# KiCad board iMX6_BareBones.kicad_pcb (continued)
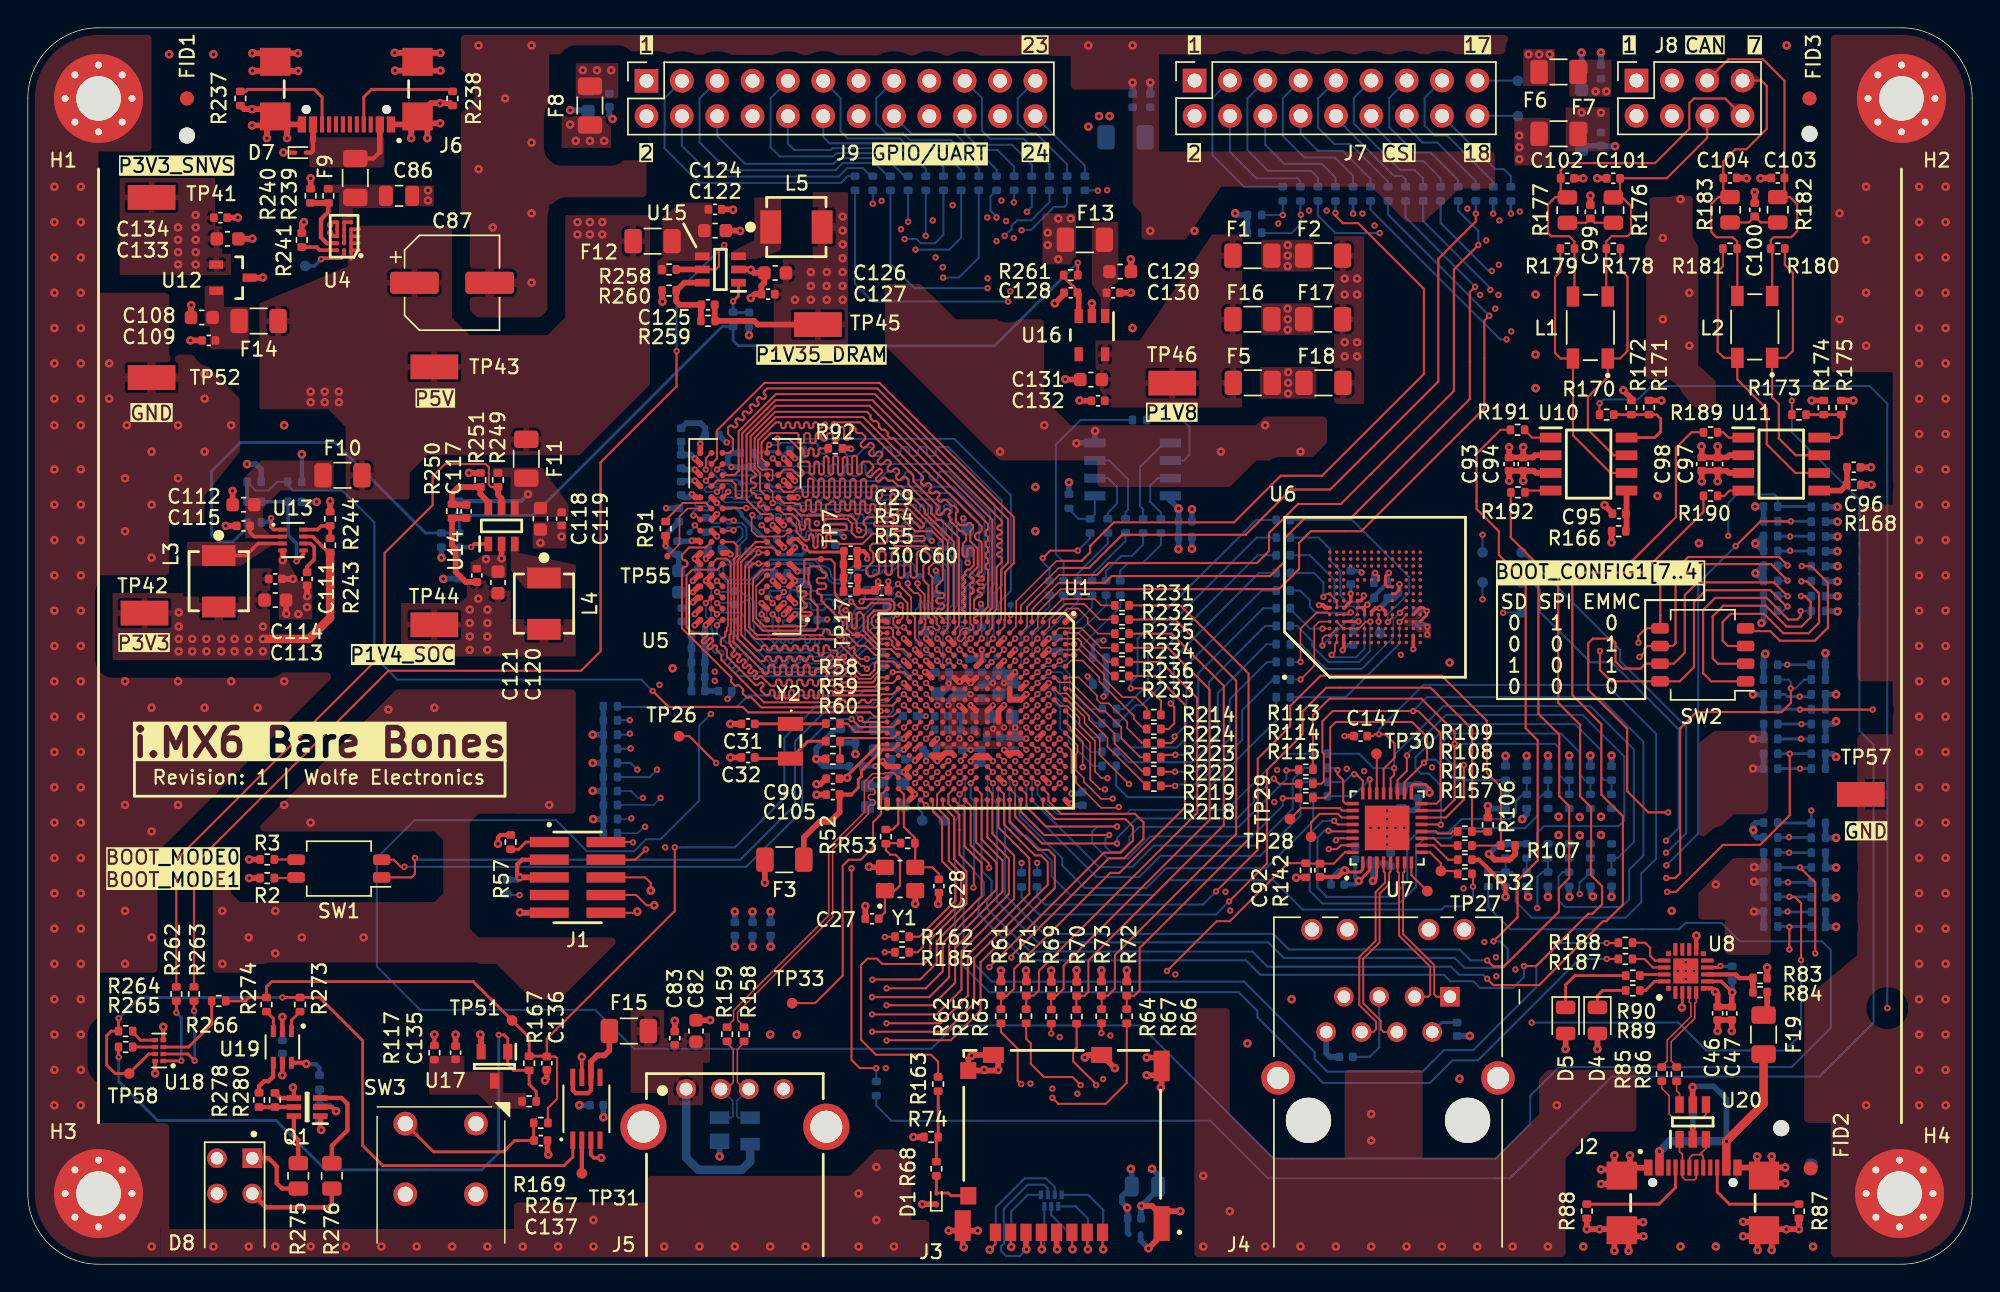
[diagram p0: board, top side]
## Routing (per net, layer and track width the routed paths; a pad name or vN(x,y) marks a point on that pad's centre or on a via; arc(x,y) is an arc through that point) (continued)
/Signal_Map/Connectors/CP2102N_TXT: length 2
  Top w0.203: U8.20 116.88,20.33 116.23,19.69 R89.2
/Signal_Map/Connectors/CP2102N_TXT_R: length 3
  Top w0.203: R89.1 113.16,19.69 112.78,19.3 D4.1
/Signal_Map/Connectors/DEBUG_RSTB: length 1.8
  Top w0.203: U8.9 121.51,21.33 v1(121.62,21.44)
  Bottom w0.203: v1(121.62,21.44) 121.64,21.41 R82.1
/Signal_Map/Connectors/DEBUG_USB_DN: length 4.7
  Top w0.114: U20.1 118.67,8.1 118.88,7.89 J2.B7 118.88,6.26 119.08,6.07 119.76,6.07 119.88,6.19 J2.A7
/Signal_Map/Connectors/DEBUG_USB_DP: length 4.1
  Top w0.114: U20.3 120.57,8.33 120.24,8 ; J2.B6 120.38,7.73 120.24,7.87 ; 120.24,8 120.12,7.87 ; 120.24,8 120.24,7.87 ; 120.12,7.87 120.24,7.87 ; 120.12,7.87 119.62,7.87 119.38,7.64 J2.A6
/Signal_Map/Connectors/DEBUG_USB_ESD_DN: length 1.8
  Top w0.114: R86.2 118.47,12.47 118.67,12.26 U20.6
/Signal_Map/Connectors/DEBUG_USB_ESD_DP: length 6.2
  Top w0.114: R85.2 117.4,12.65 117.93,12.12 117.93,10.8 118.24,10.49 120.3,10.49 120.57,10.77 U20.4
/Signal_Map/Connectors/DEBUG_USB_R_DN: length 6.3
  Top w0.109: R86.1 118.47,14.23 118.08,14.62 118.08,15.99 119.77,17.69 119.77,18.75 119.88,18.86 U8.5
/Signal_Map/Connectors/DEBUG_USB_R_DP: length 6.3
  Top w0.109: U8.4 119.38,18.86 119.48,18.75 119.48,17.81 117.79,16.11 117.79,14.62 117.4,14.23 R85.1
/Signal_Map/Connectors/DEBUG_VBUS: length 4.4
  Top w0.305: U8.8 122.7,20.83 122.96,20.57 R83.2
  Top w0.406: R84.1 R83.2
/Signal_Map/Connectors/JTAG_TCK: length 28.4
  Top w0.114: v1(43.48,30.33) 43.46,30.35
  Top w0.143: 43.46,30.35 41.53,30.35 ; U1.M14 v1(66.14,36.19)
  In3.Cu w0.114: v1(66.14,36.19) 66.14,36.6 65.94,36.8 64.11,36.8 63.91,36.6 63.14,36.6 61.54,35
  In3.Cu w0.143: v1(43.48,30.33) 43.94,30.78 52.37,30.78 54.05,32.46 59,32.46 61.54,35
/Signal_Map/Connectors/JTAG_TDI: length 29.3
  Top w0.114: U1.N16 v1(64.54,34.59)
  Top w0.143: J1.06 44.35,27.81 44.75,27.41 v2(44.75,26.87)
  In3.Cu w0.114: 63.7,32.31 64.59,32.31 65,32.72 65,33.93 64.74,34.19 64.67,34.19 64.54,34.31 v1(64.54,34.59)
  In3.Cu w0.143: v2(44.75,26.87) 45.14,27.25 47.93,27.25 49.43,28.75 53.62,28.75 55.19,30.33 60.83,30.33 62.81,32.31 63.7,32.31
/Signal_Map/Connectors/JTAG_TDO: length 30.7
  Top w0.114: U1.N15 v1(65.34,35.39)
  Top w0.143: J1.08 43.71,26.54 44.45,25.81 v2(45.01,25.81)
  In3.Cu w0.114: 65.38,33.17 65.38,33.96 64.95,34.39 64.95,34.99 v1(65.34,35.39)
  In3.Cu w0.143: v2(45.01,25.81) 47.45,25.81 49.86,28.22 53.92,28.22 55.47,29.77 61.21,29.77 63.27,31.83 64.74,31.83 65.38,32.46 65.38,33.17
/Signal_Map/Connectors/JTAG_TMS: length 26.4
  Top w0.143: v1(44.4,29.82) 43.66,29.08 J1.04 ; U1.P14 63.75,35.4 v1(63.75,35.33)
  In3.Cu w0.143: v1(63.75,35.33) 63.68,35.33 62.9,34.54 61.85,34.54 59.23,31.93 54.33,31.93 52.68,30.28 48.36,30.28 47.12,29.03 44.65,29.03 44.4,29.29 v1(44.4,29.82)
/Signal_Map/Connectors/POWER_GOOD: length 52.5
  Top w0.203: U9.1 39.16,7.71 38.53,7.09 25.5,7.09 24.05,8.53 24.05,16.08 20.95,19.18 R273.2 18.29,19.18 v1(18.29,19.18) ; U18.7 8.69,15.11 7.91,14.33 7.9,14.33 TP58.1 6.28,13.71 5.66,14.33 5.66,16.43 5.99,16.76 R264.1 6.53,16.77 v1(6.53,17.68)
  Bottom w0.203: v1(18.29,19.18) 8.03,19.18 v1(6.53,17.68)
/Signal_Map/Connectors/UART1_CP2102_IMX6: length 2.5
  Top w0.152: R187.1 116.15,21.95 116.77,21.33 U8.18
/Signal_Map/Connectors/UART1_IMX6_CP2102: length 3.2
  Top w0.152: R188.1 116.2,23.11 116.56,22.76 116.56,22.17 116.9,21.83 U8.17
/Signal_Map/Connectors/USB1_DN: length 7.5
  Top w0.109: J5.2 50.21,12.59 50.68,13.06 50.68,15.44 50.69,15.44 50.24,15.89 R159.2
  Bottom w0.109: J5.2 50.66,11.74 50.66,10.65 50.54,10.54 D6.2
/Signal_Map/Connectors/USB1_DP: length 7.5
  Top w0.109: J5.3 51.46,12.59 50.98,13.08 50.98,15.44 51.46,15.93 R158.2
  Bottom w0.109: J5.3 50.94,11.74 50.94,10.65 51.06,10.54 D6.3
/Signal_Map/Connectors/USB_DEGUB_CC1: length 8.3
  Top w0.203: J2.A5 118.38,5.51 117.2,4.32 R88.2
/Signal_Map/Connectors/USB_DEGUB_CC2: length 8
  Top w0.203: J2.B5 121.38,5.18 122.25,4.32 R87.2
/Signal_Map/Connectors/~{JTAG_TRST}: length 30
  Top w0.114: U1.N14 v1(64.54,35.39)
  Top w0.143: v2(43.79,25.35) 43.71,25.27 J1.10
  In3.Cu w0.114: v1(64.54,35.39) 64.54,35.38 64.15,34.99 64.15,33.42 63.86,33.12 62.79,33.12 62.1,32.44
  In3.Cu w0.143: 62.1,32.44 60.5,30.84 54.99,30.84 53.37,29.21 49.05,29.21 47.65,27.81 44.07,27.81 43.79,27.53 v2(43.79,25.35)
/Signal_Map/DRAM_DDR3L/DRAM_A0: length 35.1
  Top w0.114: U5.N3 53.52,55.54 v1(53.52,54.74)
  Top w0.143: U1.L5 v1(66.14,43.39)
  Bottom w0.114: 54.23,54.69 54.39,54.53 55.97,54.53 55.99,54.55 ; v1(66.14,43.39) 66.14,43.16 66.07,43.09 65.87,43.09 65.74,43.22 65.74,43.52 65.92,43.7 65.92,43.83 65.74,44 65.74,44.36 65.89,44.51 65.89,44.69 65.75,44.83 65.75,45.26 arc(65.78,45.33) 65.86,45.36 66.02,45.36 arc(66.09,45.39) 66.12,45.47 66.12,45.52 arc(66.09,45.59) 66.02,45.62 65.86,45.62 arc(65.78,45.65) 65.75,45.72 65.75,45.77 arc(65.78,45.85) 65.86,45.88 66.17,45.88 arc(66.24,45.91) 66.27,45.98 66.27,46.03 arc(66.24,46.1) 66.17,46.13 65.86,46.13 arc(65.78,46.16) 65.75,46.24 65.75,46.33 65.82,46.39 66.22,46.39 66.28,46.44 ; 66.13,43.39 66.05,43.47 ; v1(53.52,54.74) 53.52,54.68
  Bottom w0.143: TP11.1 53.52,54.74 v1(53.52,54.74) ; v1(66.14,43.39) 66.14,43.4 ; TP19.1 66.12,46.69 66.28,46.84 66.28,46.85 66.76,47.33 66.76,50.36 66.4,50.72 66.4,50.82 arc(66.36,50.9) 66.28,50.94 66.27,50.94 arc(66.19,50.97) 66.16,51.05 66.16,51.11 arc(66.19,51.19) 66.27,51.23 66.28,51.23 arc(66.36,51.26) 66.4,51.34 66.4,51.74 arc(66.36,51.82) 66.28,51.86 66.27,51.86 arc(66.19,51.89) 66.16,51.97 66.16,52.03 arc(66.19,52.11) 66.27,52.15 66.28,52.15 arc(66.36,52.18) 66.4,52.26 66.4,53 arc(66.36,53.08) 66.28,53.12 66.27,53.12 arc(66.19,53.15) 66.16,53.23 66.16,53.29 arc(66.19,53.37) 66.27,53.41 66.28,53.41 arc(66.36,53.44) 66.4,53.52 66.4,53.58 arc(66.36,53.66) 66.28,53.7 66.27,53.7 arc(66.19,53.73) 66.16,53.81 66.16,53.87 arc(66.19,53.95) 66.27,53.99 66.28,53.99 arc(66.36,54.02) 66.4,54.1 66.4,54.33 66.12,54.61 65.94,54.61 arc(65.86,54.58) 65.83,54.5 65.83,54 arc(65.79,53.92) 65.71,53.89 65.65,53.89 arc(65.57,53.92) 65.54,54 65.54,54.5 arc(65.51,54.58) 65.43,54.61 65.37,54.61 arc(65.29,54.58) 65.26,54.5 65.26,54 arc(65.22,53.92) 65.14,53.89 65.08,53.89 arc(65,53.92) 64.97,54 64.97,54.5 arc(64.94,54.58) 64.86,54.61 64.8,54.61 arc(64.72,54.58) 64.68,54.5 64.68,54 arc(64.65,53.92) 64.57,53.89 64.51,53.89 arc(64.43,53.92) 64.4,54 64.4,54.5 arc(64.37,54.58) 64.28,54.61 64.23,54.61 arc(64.15,54.58) 64.11,54.5 64.11,54.25 arc(64.08,54.17) 64,54.14 63.94,54.14 arc(63.86,54.17) 63.83,54.25 63.83,54.5 arc(63.79,54.58) 63.71,54.61 56.26,54.61 56.19,54.55 55.99,54.55
/Signal_Map/DRAM_DDR3L/DRAM_A1: length 38.1
  Top w0.143: U5.P7 50.76,56.74 51.09,57.06 51.07,57.08 51.07,59.88 53,61.81 53,61.81 53.75,62.56 60.86,62.56 69.98,53.44 69.98,53.24 arc(69.94,53.15) 69.85,53.11 69.78,53.11 arc(69.69,53.07) 69.66,52.98 69.66,52.92 arc(69.69,52.83) 69.78,52.79 69.85,52.79 arc(69.94,52.75) 69.98,52.66 69.98,52.6 arc(69.94,52.51) 69.85,52.47 69.78,52.47 arc(69.69,52.43) 69.66,52.34 69.66,52.28 arc(69.69,52.19) 69.78,52.15 69.85,52.15 arc(69.94,52.11) 69.98,52.02 69.98,51.96 arc(69.94,51.87) 69.85,51.83 69.78,51.83 arc(69.69,51.79) 69.66,51.7 69.66,51.64 arc(69.69,51.55) 69.78,51.51 69.85,51.51 arc(69.94,51.47) 69.98,51.38 69.98,51.32 arc(69.94,51.23) 69.85,51.19 69.78,51.19 arc(69.69,51.15) 69.66,51.06 69.66,51 arc(69.69,50.91) 69.78,50.87 69.85,50.87 arc(69.94,50.83) 69.98,50.74 69.98,50.5 69.6,50.12 69.6,47.08 69.3,46.78 69.3,45.75 U1.H2
/Signal_Map/DRAM_DDR3L/DRAM_A2: length 38.1
  Top w0.114: 52.49,57.37 52.72,57.14 53.42,57.14 53.52,57.04 53.52,56.44 53.42,56.35 53.23,56.35 53.12,56.46 U5.P3
  Top w0.143: U1.K1 67.34,46.85 67.34,46.86 67.34,46.88 67.33,46.9 67.32,46.91 67.3,46.92 67.28,46.93 67.26,46.94 67.24,46.94 67.22,46.94 67.2,46.95 67.19,46.96 67.18,46.98 67.17,47 67.16,47.02 67.16,47.14 67.17,47.16 67.18,47.18 67.19,47.2 67.2,47.21 67.22,47.22 67.24,47.22 67.26,47.22 67.28,47.23 67.3,47.24 67.32,47.25 67.33,47.27 67.34,47.28 67.34,47.3 67.34,47.43 67.34,47.45 67.33,47.47 67.32,47.48 67.3,47.5 67.28,47.5 67.26,47.51 67.24,47.51 67.22,47.51 67.2,47.52 67.19,47.53 67.18,47.55 67.17,47.57 67.16,47.59 67.16,47.71 67.17,47.73 67.18,47.75 67.19,47.77 67.2,47.78 67.22,47.79 67.24,47.79 67.26,47.79 67.28,47.8 67.3,47.81 67.32,47.82 67.33,47.84 67.34,47.85 67.34,47.87 67.34,48 67.34,48.02 67.33,48.04 67.32,48.05 67.3,48.07 67.28,48.08 67.26,48.08 67.24,48.08 67.22,48.08 67.2,48.09 67.19,48.11 67.18,48.12 67.17,48.14 67.16,48.16 67.16,48.29 67.17,48.31 67.18,48.32 67.19,48.34 67.2,48.35 67.22,48.36 67.24,48.37 67.26,48.37 67.28,48.37 67.3,48.38 67.32,48.39 67.33,48.41 67.34,48.43 67.34,48.45 67.34,48.57 67.34,48.59 67.33,48.61 67.32,48.62 67.3,48.64 67.28,48.65 67.26,48.65 67.24,48.65 67.22,48.66 67.2,48.66 67.19,48.68 67.18,48.69 67.17,48.71 67.16,48.73 67.16,48.86 67.17,48.88 67.18,48.89 67.19,48.91 67.2,48.92 67.22,48.93 67.24,48.94 67.26,48.94 67.28,48.94 67.3,48.95 67.32,48.96 67.33,48.98 67.34,49 67.34,49.02 67.34,49.14 67.34,49.16 67.33,49.18 67.32,49.2 67.3,49.21 67.28,49.22 67.26,49.22 67.24,49.22 67.22,49.23 67.2,49.24 67.19,49.25 67.18,49.26 67.17,49.28 67.16,49.3 67.16,49.43 67.17,49.45 67.18,49.47 67.19,49.48 67.2,49.49 67.22,49.5 67.24,49.51 67.26,49.51 67.28,49.51 67.3,49.52 67.32,49.53 67.33,49.55 67.34,49.57 67.34,49.59 67.34,49.6 67.34,49.77 67.52,49.95 67.67,49.95 67.96,50.25 67.96,51.34 67.79,51.51 67.59,51.51 67.51,51.44 67.51,50.95 67.43,50.87 67.29,50.87 67.18,50.98 67.18,51.82 67.41,52.04 67.41,52.48 67.18,52.7 67.01,52.7 66.27,53.44 66.27,53.65 66.2,53.72 arc(66.15,53.83) 66.2,53.94 66.25,53.99 arc(66.29,54.11) 66.25,54.22 66.19,54.28 arc(66.08,54.32) 65.96,54.28 65.6,53.92 arc(65.49,53.87) 65.38,53.92 65.32,53.97 arc(65.27,54.09) 65.32,54.2 65.41,54.28 arc(65.45,54.4) 65.41,54.51 64.73,55.18 64.68,55.23 64.67,55.23 64.63,55.28 64.58,55.32 64.58,55.33 64.53,55.38 64.14,55.78 64.09,55.82 64.09,55.82 64.06,55.85 63.99,55.91 63.99,55.92 63.87,56.04 63.87,56.04 63.63,56.29 63.63,56.69 59.79,60.53 57.89,60.53 arc(57.79,60.49) 57.75,60.4 57.75,60.24 arc(57.72,60.15) 57.62,60.11 57.56,60.11 arc(57.46,60.15) 57.42,60.24 57.42,60.4 arc(57.39,60.49) 57.29,60.53 57.23,60.53 arc(57.13,60.49) 57.09,60.4 57.09,60.24 arc(57.06,60.15) 56.96,60.11 56.9,60.11 arc(56.8,60.15) 56.76,60.24 56.76,60.4 arc(56.73,60.49) 56.63,60.53 56.57,60.53 arc(56.47,60.49) 56.43,60.4 56.43,60.24 arc(56.4,60.15) 56.3,60.11 56.24,60.11 arc(56.14,60.15) 56.1,60.24 56.1,60.4 arc(56.07,60.49) 55.97,60.53 55.91,60.53 arc(55.81,60.49) 55.77,60.4 55.77,60.24 arc(55.74,60.15) 55.64,60.11 55.58,60.11 arc(55.48,60.15) 55.44,60.24 55.44,60.4 arc(55.41,60.49) 55.31,60.53 55.25,60.53 arc(55.15,60.49) 55.11,60.4 55.11,60.24 arc(55.08,60.15) 54.98,60.11 54.92,60.11 arc(54.82,60.15) 54.78,60.24 54.78,60.4 arc(54.75,60.49) 54.65,60.53 54.59,60.53 arc(54.49,60.49) 54.45,60.4 54.45,60.24 arc(54.42,60.15) 54.32,60.11 54.26,60.11 arc(54.16,60.15) 54.12,60.24 54.12,60.4 arc(54.09,60.49) 53.99,60.53 53.75,60.53 52.47,59.25 52.47,57.39 52.49,57.37
/Signal_Map/DRAM_DDR3L/DRAM_A3: length 38.1
  Top w0.143: U1.M2 66.1,45.75 66.1,51.98 62.3,55.78 61.53,55.78 arc(61.42,55.73) 61.38,55.63 61.38,55.22 arc(61.33,55.11) 61.22,55.07 61.15,55.07 arc(61.04,55.11) 61,55.22 61,55.88 arc(60.96,55.96) 60.89,55.99 60.72,55.99 arc(60.65,55.96) 60.62,55.88 60.62,55.22 arc(60.57,55.11) 60.46,55.07 60.39,55.07 arc(60.28,55.11) 60.24,55.22 60.24,56.29 arc(60.19,56.39) 60.08,56.44 60.01,56.44 arc(59.9,56.39) 59.86,56.29 59.86,55.27 arc(59.81,55.16) 59.7,55.12 59.63,55.12 arc(59.52,55.16) 59.48,55.27 59.48,56.29 arc(59.43,56.39) 59.32,56.44 59.25,56.44 arc(59.14,56.39) 59.1,56.29 59.1,55.27 arc(59.05,55.16) 58.94,55.12 58.87,55.12 arc(58.76,55.16) 58.72,55.27 58.72,56.34 arc(58.67,56.44) 58.56,56.49 58.49,56.49 arc(58.38,56.44) 58.34,56.34 58.34,55.27 arc(58.29,55.16) 58.18,55.12 58.11,55.12 arc(58,55.16) 57.96,55.27 57.96,56.34 arc(57.91,56.44) 57.8,56.49 57.73,56.49 arc(57.62,56.44) 57.58,56.34 57.58,55.22 arc(57.53,55.11) 57.42,55.07 57.35,55.07 arc(57.24,55.11) 57.2,55.22 57.2,56.34 arc(57.15,56.44) 57.04,56.49 56.97,56.49 arc(56.86,56.44) 56.82,56.34 56.82,55.32 arc(56.77,55.21) 56.66,55.17 56.59,55.17 arc(56.48,55.21) 56.44,55.32 56.44,56.34 arc(56.39,56.44) 56.28,56.49 56.21,56.49 arc(56.1,56.44) 56.06,56.34 56.06,55.32 arc(56.01,55.21) 55.9,55.17 55.83,55.17 arc(55.72,55.21) 55.68,55.32 55.68,55.63 arc(55.63,55.73) 55.52,55.78 55.22,55.78 54.98,55.54 54.32,55.54 U5.N2
/Signal_Map/DRAM_DDR3L/DRAM_A4: length 35
  Top w0.143: U1.K4 v1(66.94,44.19) ; U5.P8 v1(48.72,56.34)
  Bottom w0.114: v1(66.94,44.19) 66.94,45.17 arc(66.97,45.24) 67.05,45.27 arc(67.12,45.3) 67.15,45.38 67.15,45.47 arc(67.12,45.54) 67.05,45.57 arc(66.97,45.6) 66.94,45.68 66.94,45.74 arc(66.98,45.82) 67.06,45.86 67.23,45.86 arc(67.32,45.89) 67.35,45.98 67.35,46.04 arc(67.32,46.12) 67.23,46.16 67.06,46.16 arc(66.98,46.19) 66.94,46.28 66.94,46.47 ; 48.72,56.18 v1(48.72,56.34) 48.94,56.12 50.38,56.12 50.88,55.61 53.17,55.61 53.23,55.55 53.28,55.55
  Bottom w0.143: 53.28,55.55 55.69,55.55 55.75,55.5 61.28,55.5 61.34,55.45 arc(61.39,55.42) 61.42,55.37 arc(61.44,55.31) 61.5,55.29 62.03,55.29 arc(62.08,55.31) 62.11,55.37 62.11,55.53 arc(62.13,55.58) 62.19,55.61 62.72,55.61 arc(62.77,55.58) 62.8,55.53 62.8,55.37 arc(62.82,55.31) 62.88,55.29 63.41,55.29 arc(63.46,55.31) 63.49,55.37 63.49,55.53 arc(63.51,55.58) 63.57,55.61 64.1,55.61 arc(64.15,55.58) 64.18,55.53 arc(64.2,55.47) 64.26,55.45 66.23,55.45 68.35,53.33 68.35,49.63 68.24,49.52 arc(68.13,49.47) 68.03,49.52 67.67,49.87 arc(67.57,49.92) 67.46,49.87 67.41,49.82 arc(67.37,49.72) 67.41,49.61 67.77,49.26 arc(67.81,49.15) 67.77,49.05 67.39,48.66 67.39,46.91 66.94,46.47
/Signal_Map/DRAM_DDR3L/DRAM_A5: length 38.1
  Top w0.143: U1.L1 66.54,51.94 64.47,54.02 64.47,54.25 62.76,55.96 62.53,55.96 62.15,56.34 61.82,56.34 61.63,56.53 arc(61.54,56.57) 61.44,56.53 61.21,56.3 arc(61.11,56.26) 61.02,56.3 60.97,56.34 arc(60.93,56.44) 60.97,56.54 61.37,56.94 arc(61.4,57.01) 61.37,57.08 61.27,57.18 arc(61.2,57.21) 61.13,57.18 60.59,56.64 arc(60.49,56.6) 60.39,56.64 60.35,56.68 arc(60.31,56.78) 60.35,56.88 60.72,57.25 arc(60.76,57.35) 60.72,57.44 60.45,57.71 60.05,57.71 arc(59.95,57.67) 59.91,57.57 59.91,56.92 arc(59.87,56.83) 59.77,56.79 59.71,56.79 arc(59.61,56.83) 59.57,56.92 59.57,57.99 arc(59.53,58.09) 59.43,58.13 59.37,58.13 arc(59.27,58.09) 59.23,57.99 59.23,56.92 arc(59.19,56.83) 59.09,56.79 59.03,56.79 arc(58.93,56.83) 58.89,56.92 58.89,57.89 arc(58.85,57.99) 58.75,58.03 58.69,58.03 arc(58.59,57.99) 58.55,57.89 58.55,56.92 arc(58.51,56.83) 58.41,56.79 58.35,56.79 arc(58.25,56.83) 58.21,56.92 58.21,57.99 arc(58.17,58.09) 58.07,58.13 58.01,58.13 arc(57.91,58.09) 57.87,57.99 57.87,56.92 arc(57.83,56.83) 57.73,56.79 57.67,56.79 arc(57.57,56.83) 57.53,56.92 57.53,57.94 arc(57.49,58.04) 57.39,58.08 57.33,58.08 arc(57.23,58.04) 57.19,57.94 57.19,56.92 arc(57.15,56.83) 57.05,56.79 56.99,56.79 arc(56.89,56.83) 56.85,56.92 56.85,57.57 arc(56.81,57.67) 56.71,57.71 56.65,57.71 arc(56.55,57.67) 56.51,57.57 56.51,56.92 arc(56.47,56.83) 56.37,56.79 56.31,56.79 arc(56.21,56.83) 56.17,56.92 56.17,57.57 arc(56.13,57.67) 56.03,57.71 55.5,57.71 55.35,57.56 55.35,57.38 55.73,57 55.73,56.82 55.58,56.67 55.4,56.67 54.93,57.14 54.32,57.14 U5.P2
/Signal_Map/DRAM_DDR3L/DRAM_A6: length 38.1
  Top w0.143: U1.G2 70.17,45.82 70.17,46.33 70.21,46.37 70.21,49.77 70.84,50.39 70.84,53.72 61.19,63.37 52.93,63.37 49.52,59.96 49.52,57.93 U5.R8
/Signal_Map/DRAM_DDR3L/DRAM_A7: length 35
  Top w0.143: U5.R2 v1(53.52,57.94) ; U1.H4 v1(69.34,44.19)
  Bottom w0.114: 69.15,46.82 69.09,46.77 69.09,45.4 68.94,45.25 68.94,44.59 v1(69.34,44.19)
  Bottom w0.143: v1(53.52,57.94) 54.09,57.36 56.37,57.36 56.54,57.53 56.98,57.53 arc(57.13,57.47) 57.18,57.33 57.18,56.86 arc(57.24,56.72) 57.38,56.66 57.48,56.66 arc(57.63,56.72) 57.68,56.86 57.68,57.33 arc(57.74,57.47) 57.88,57.53 57.98,57.53 arc(58.13,57.47) 58.18,57.33 58.18,56.86 arc(58.24,56.72) 58.38,56.66 58.48,56.66 arc(58.63,56.72) 58.68,56.86 58.68,57.33 arc(58.74,57.47) 58.88,57.53 58.98,57.53 arc(59.13,57.47) 59.18,57.33 59.18,56.86 arc(59.24,56.72) 59.38,56.66 59.48,56.66 arc(59.63,56.72) 59.68,56.86 59.68,57.33 arc(59.74,57.47) 59.88,57.53 59.98,57.53 arc(60.13,57.47) 60.18,57.33 60.18,56.86 arc(60.24,56.72) 60.38,56.66 60.48,56.66 arc(60.63,56.72) 60.68,56.86 60.68,57.33 arc(60.74,57.47) 60.88,57.53 66.57,57.53 69.47,54.64 69.47,48.92 69.15,48.6 69.15,46.82
/Signal_Map/DRAM_DDR3L/DRAM_A8: length 35
  Top w0.143: U1.J4 v1(67.74,44.19) ; U5.T8 48.72,57.94 v1(48.72,57.14)
  Bottom w0.143: v1(48.72,57.14) 48.72,57.61 48.82,57.71 48.97,57.71 49.12,57.56 49.12,56.97 49.67,56.41 50.95,56.41 TP13.1 53.26,56.13 53.51,55.89 56.04,55.89 56.05,55.91 66.5,55.91 68.73,53.67 68.73,49.61 67.67,48.55 67.67,45.5 67.34,45.17 67.34,44.59 v1(67.74,44.19) 67.62,44.19 ; v1(48.72,57.14) 48.81,57.14 ; v1(48.72,57.14) 48.72,57.07
/Signal_Map/DRAM_DDR3L/DRAM_A9: length 38.1
  Top w0.143: U1.L2 66.54,45.57 66.9,45.93 66.9,52.23 65.61,53.52 65.37,53.52 64.92,53.97 64.92,54.41 63.27,56.06 63.27,56.41 63.11,56.57 arc(62.99,56.62) 62.87,56.57 62.73,56.42 arc(62.6,56.37) 62.48,56.42 62.42,56.49 arc(62.37,56.61) 62.42,56.73 62.57,56.87 arc(62.62,57) 62.57,57.12 62.51,57.18 arc(62.38,57.23) 62.26,57.18 62.12,57.03 arc(62,56.98) 61.87,57.03 61.81,57.09 arc(61.76,57.22) 61.81,57.34 61.96,57.48 arc(62.01,57.6) 61.96,57.73 61.9,57.79 arc(61.78,57.84) 61.65,57.79 61.4,57.54 arc(61.28,57.48) 61.16,57.54 61.1,57.6 arc(61.05,57.72) 61.1,57.84 61.35,58.09 arc(61.4,58.21) 61.35,58.33 61.29,58.39 arc(61.17,58.45) 61.05,58.39 60.79,58.14 arc(60.67,58.09) 60.55,58.14 60.49,58.2 arc(60.44,58.33) 60.49,58.45 60.74,58.7 arc(60.79,58.82) 60.74,58.94 60.68,59 arc(60.56,59.05) 60.44,59 60.19,58.75 arc(60.07,58.7) 59.94,58.75 59.88,58.81 arc(59.83,58.93) 59.88,59.06 60.13,59.31 arc(60.18,59.43) 60.13,59.55 59.92,59.77 59.64,59.77 arc(59.52,59.81) 59.48,59.93 59.48,60.04 arc(59.43,60.16) 59.31,60.21 59.23,60.21 arc(59.11,60.16) 59.07,60.04 59.07,59.44 arc(59.02,59.32) 58.9,59.28 58.82,59.28 arc(58.7,59.32) 58.66,59.44 58.66,60.04 arc(58.61,60.16) 58.49,60.21 58.41,60.21 arc(58.29,60.16) 58.25,60.04 58.25,59.34 arc(58.2,59.22) 58.08,59.18 58,59.18 arc(57.88,59.22) 57.84,59.34 57.84,59.6 arc(57.79,59.72) 57.67,59.77 57.59,59.77 arc(57.47,59.72) 57.43,59.6 57.43,59.39 arc(57.38,59.27) 57.26,59.23 57.18,59.23 arc(57.06,59.27) 57.02,59.39 57.02,59.6 arc(56.97,59.72) 56.85,59.77 56.77,59.77 arc(56.65,59.72) 56.61,59.6 56.61,59.19 arc(56.56,59.07) 56.44,59.03 56.36,59.03 arc(56.24,59.07) 56.2,59.19 56.2,59.6 arc(56.15,59.72) 56.03,59.77 55.95,59.77 arc(55.83,59.72) 55.79,59.6 55.79,59.19 arc(55.74,59.07) 55.62,59.03 55.54,59.03 arc(55.42,59.07) 55.38,59.19 55.38,59.6 arc(55.33,59.72) 55.21,59.77 53.39,59.77 52.72,59.09 52.72,57.94 U5.R3
/Signal_Map/DRAM_DDR3L/DRAM_A10: length 35.1
  Top w0.143: U5.L7 50.57,54.34 50.6,54.37 v1(51.62,54.37) ; U1.M4 v1(65.34,44.19)
  Bottom w0.114: 65.33,44.19 v1(65.34,44.19) 64.95,44.57 64.95,45.29 65.03,45.37 65.03,46.72 65.13,46.82 65.43,46.82 65.64,47.03
  Bottom w0.143: v1(51.62,54.37) 52.66,54.37 53.09,53.94 53.19,53.94 arc(53.3,53.89) 53.34,53.78 53.34,53.7 arc(53.39,53.59) 53.49,53.55 53.57,53.55 arc(53.68,53.59) 53.72,53.7 53.72,53.78 arc(53.77,53.89) 53.87,53.94 53.95,53.94 arc(54.06,53.89) 54.1,53.78 54.1,53.7 arc(54.15,53.59) 54.25,53.55 54.33,53.55 arc(54.44,53.59) 54.48,53.7 54.48,53.78 arc(54.53,53.89) 54.63,53.94 54.71,53.94 arc(54.82,53.89) 54.86,53.78 54.86,53.25 arc(54.91,53.14) 55.01,53.1 55.09,53.1 arc(55.2,53.14) 55.24,53.25 55.24,53.78 arc(55.29,53.89) 55.39,53.94 55.47,53.94 arc(55.58,53.89) 55.62,53.78 55.62,53.25 arc(55.67,53.14) 55.77,53.1 55.85,53.1 arc(55.96,53.14) 56,53.25 56,53.78 arc(56.05,53.89) 56.15,53.94 57.02,53.94 arc(57.12,53.89) 57.17,53.79 57.17,53.66 arc(57.21,53.56) 57.31,53.52 57.38,53.52 arc(57.48,53.56) 57.53,53.66 57.53,53.79 arc(57.57,53.89) 57.67,53.94 57.74,53.94 arc(57.84,53.89) 57.89,53.79 57.89,53.71 arc(57.93,53.61) 58.03,53.57 58.1,53.57 arc(58.2,53.61) 58.25,53.71 58.25,53.79 arc(58.29,53.89) 58.39,53.94 58.46,53.94 arc(58.56,53.89) 58.61,53.79 58.61,53.71 arc(58.65,53.61) 58.75,53.57 58.82,53.57 arc(58.92,53.61) 58.97,53.71 58.97,53.79 arc(59.01,53.89) 59.11,53.94 59.18,53.94 arc(59.28,53.89) 59.33,53.79 59.33,53.71 arc(59.37,53.61) 59.47,53.57 59.54,53.57 arc(59.64,53.61) 59.69,53.71 59.69,53.79 arc(59.73,53.89) 59.83,53.94 59.9,53.94 arc(60,53.89) 60.05,53.79 60.05,53.71 arc(60.09,53.61) 60.19,53.57 60.26,53.57 arc(60.36,53.61) 60.41,53.71 60.41,53.79 arc(60.45,53.89) 60.55,53.94 60.62,53.94 arc(60.72,53.89) 60.77,53.79 60.77,53.71 arc(60.81,53.61) 60.91,53.57 60.98,53.57 arc(61.08,53.61) 61.13,53.71 61.13,53.79 arc(61.17,53.89) 61.27,53.94 61.34,53.94 arc(61.44,53.89) 61.49,53.79 61.49,53.71 arc(61.53,53.61) 61.63,53.57 61.7,53.57 arc(61.8,53.61) 61.85,53.71 61.85,53.79 arc(61.89,53.89) 61.99,53.94 62.06,53.94 arc(62.16,53.89) 62.21,53.79 62.21,53.71 arc(62.25,53.61) 62.35,53.57 62.42,53.57 arc(62.52,53.61) 62.57,53.71 62.57,53.79 arc(62.61,53.89) 62.71,53.94 63.25,53.94 63.33,53.86 arc(63.37,53.75) 63.33,53.65 arc(63.29,53.54) 63.33,53.43 63.47,53.29 arc(63.58,53.25) 63.68,53.29 arc(63.79,53.34) 63.9,53.29 64.12,53.07 64.12,52.8 arc(64.06,52.67) 63.94,52.62 63.78,52.62 arc(63.65,52.57) 63.6,52.44 63.6,52.35 arc(63.65,52.22) 63.78,52.17 63.94,52.17 arc(64.06,52.12) 64.12,51.99 64.12,51.98 64.19,51.9 64.32,51.9 66.18,50.04 66.18,47.57 65.64,47.03 ; v1(65.34,44.19) 65.25,44.19
/Signal_Map/DRAM_DDR3L/DRAM_A11: length 35
  Top w0.143: U5.R7 v1(49.52,57.14) ; U1.K3 v1(67.74,44.99)
  Bottom w0.143: v1(67.74,44.99) 67.98,45.22 67.98,47.84 68.27,48.13 68.48,48.13 68.71,48.36 68.71,48.77 69.11,49.17 69.11,54.05 66.17,57 65.63,57 arc(65.46,56.93) 65.39,56.76 65.39,56.61 arc(65.32,56.44) 65.15,56.37 65.03,56.37 arc(64.86,56.44) 64.79,56.61 64.79,56.76 arc(64.72,56.93) 64.55,57 64.43,57 arc(64.26,56.93) 64.19,56.76 64.19,56.61 arc(64.12,56.44) 63.95,56.37 63.83,56.37 arc(63.66,56.44) 63.59,56.61 63.59,56.76 arc(63.52,56.93) 63.35,57 63.23,57 arc(63.06,56.93) 62.99,56.76 62.99,56.61 arc(62.92,56.44) 62.75,56.37 62.63,56.37 arc(62.46,56.44) 62.39,56.61 62.39,56.76 arc(62.32,56.93) 62.15,57 61.75,57 61.06,56.31 56.72,56.31 56.11,56.92 53.87,56.92 53.67,56.72 50.32,56.72 49.9,57.14 v1(49.52,57.14)
/Signal_Map/DRAM_DDR3L/DRAM_A12: length 35
  Top w0.143: U5.N7 v1(49.52,55.54) ; U1.L4 v1(66.14,44.19)
  Bottom w0.114: v1(66.14,44.19) 66.62,44.67 66.62,46.79 66.71,46.87 ; 49.49,55.51 v1(49.52,55.54) 48.81,55.54 48.81,55.54 48.75,55.54 48.62,55.66 48.62,55.76 48.75,55.89 49.74,55.89 49.92,55.71 49.92,55.39 50.16,55.15 50.63,55.15 arc(50.68,55.13) 50.7,55.08 arc(50.72,55.03) 50.77,55.01 50.89,55.01 arc(50.94,55.03) 50.96,55.08 50.96,55.28 arc(50.99,55.36) 51.06,55.39 51.11,55.39 arc(51.19,55.36) 51.22,55.28 51.22,55.08 arc(51.24,55.03) 51.29,55.01 51.41,55.01 arc(51.46,55.03) 51.48,55.08 arc(51.5,55.13) 51.55,55.15 51.82,55.15 52.03,55.36 52.36,55.36 52.36,55.36 52.88,55.36 52.92,55.32 53.14,55.32 53.3,55.15 54.67,55.15 54.79,55.03 54.79,54.9 54.95,54.75 55.78,54.75 55.89,54.85
  Bottom w0.143: 66.71,46.87 67.08,47.24 67.08,50.57 66.77,50.88 66.77,53.24 66.7,53.31 66.7,54.58 66.28,54.99 61.64,54.99 61.57,54.92 60.71,54.92 arc(60.62,54.96) 60.58,55.05 arc(60.54,55.14) 60.45,55.18 60.32,55.18 arc(60.23,55.14) 60.19,55.05 arc(60.15,54.96) 60.06,54.92 59.93,54.92 arc(59.84,54.96) 59.8,55.05 arc(59.76,55.14) 59.67,55.18 59.54,55.18 arc(59.45,55.14) 59.41,55.05 arc(59.37,54.96) 59.28,54.92 59.15,54.92 arc(59.06,54.96) 59.02,55.05 arc(58.98,55.14) 58.89,55.18 58.76,55.18 arc(58.67,55.14) 58.63,55.05 arc(58.59,54.96) 58.5,54.92 58.37,54.92 arc(58.28,54.96) 58.24,55.05 arc(58.2,55.14) 58.11,55.18 57.98,55.18 arc(57.89,55.14) 57.85,55.05 arc(57.81,54.96) 57.72,54.92 57.59,54.92 arc(57.5,54.96) 57.46,55.05 arc(57.42,55.14) 57.33,55.18 57.2,55.18 arc(57.11,55.14) 57.07,55.05 arc(57.03,54.96) 56.94,54.92 56.81,54.92 arc(56.72,54.96) 56.68,55.05 arc(56.64,55.14) 56.55,55.18 56.42,55.18 arc(56.33,55.14) 56.29,55.05 arc(56.25,54.96) 56.16,54.92 55.96,54.92 55.89,54.85
/Signal_Map/DRAM_DDR3L/DRAM_A13: length 35
  Top w0.143: U1.H3 v1(69.34,44.99) ; U5.T3 53.12,58.76 v1(53.27,58.91)
  Bottom w0.143: v1(53.27,58.91) 53.98,58.91 53.98,58.94 54,58.96 54.02,58.96 54.12,59.06 56.52,59.06 arc(56.73,58.97) 56.81,58.76 56.81,58.59 arc(56.9,58.38) 57.1,58.3 57.25,58.3 arc(57.46,58.38) 57.54,58.59 57.54,58.76 arc(57.63,58.97) 57.83,59.06 58.19,59.06 58.42,58.83 58.42,58.62 58.94,58.1 59.53,58.1 60.17,58.75 60.5,58.75 arc(60.68,58.68) 60.76,58.49 60.76,58.36 arc(60.83,58.18) 61.01,58.1 61.14,58.1 arc(61.32,58.18) 61.4,58.36 61.4,58.49 arc(61.47,58.68) 61.65,58.75 61.78,58.75 arc(61.96,58.68) 62.04,58.49 62.04,58.36 arc(62.11,58.18) 62.29,58.1 62.42,58.1 arc(62.6,58.18) 62.68,58.36 62.68,58.49 arc(62.75,58.68) 62.93,58.75 63.06,58.75 arc(63.24,58.68) 63.32,58.49 63.32,58.36 arc(63.39,58.18) 63.57,58.1 63.7,58.1 arc(63.88,58.18) 63.96,58.36 63.96,58.49 arc(64.03,58.68) 64.21,58.75 64.34,58.75 arc(64.52,58.68) 64.6,58.49 64.6,58.36 arc(64.67,58.18) 64.85,58.1 64.98,58.1 arc(65.16,58.18) 65.24,58.36 65.24,58.49 arc(65.31,58.68) 65.49,58.75 66.14,58.75 69.98,54.91 69.98,48.82 69.45,48.29 69.45,46.57 69.4,46.52 69.4,45.3 69.34,45.24 v1(69.34,44.99)
